# KiCad board panel_50_1.kicad_pcb
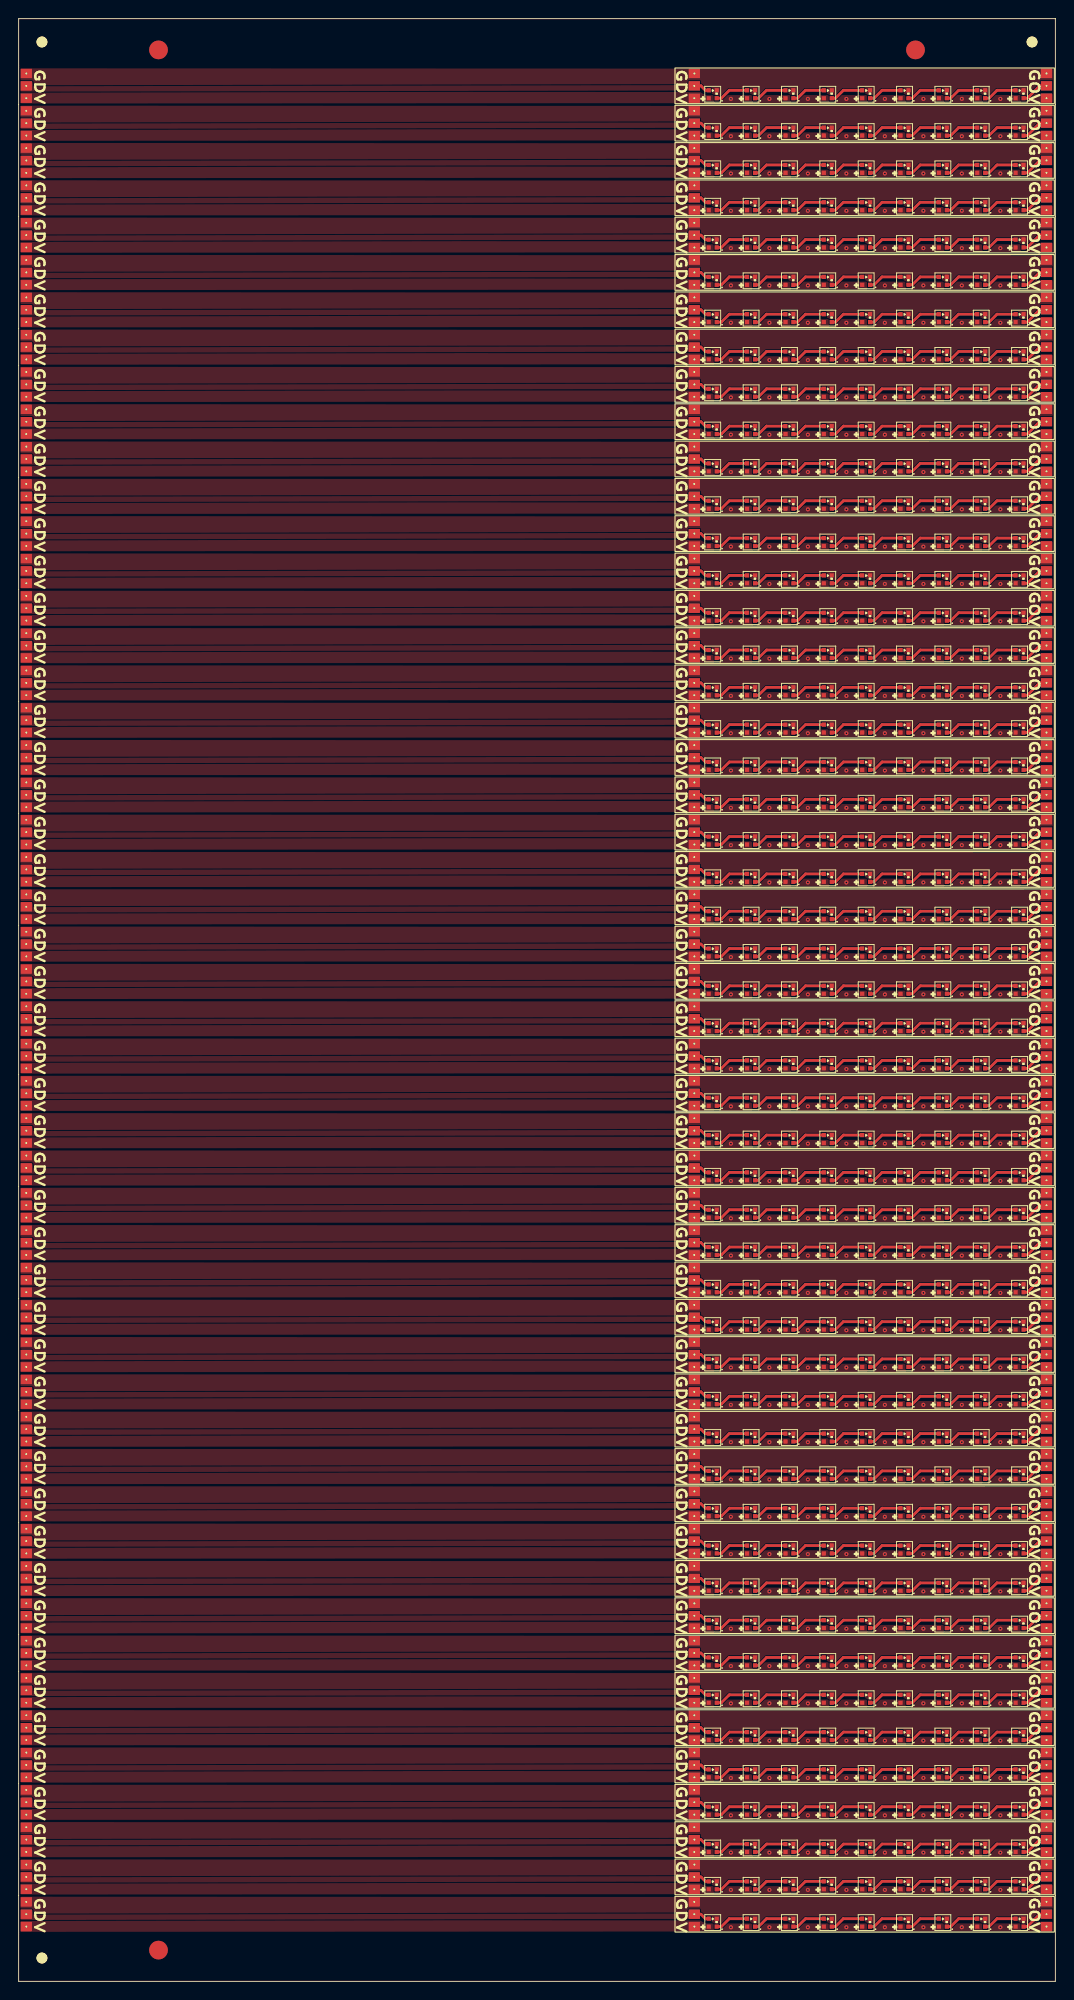
[diagram p0: board, top side]
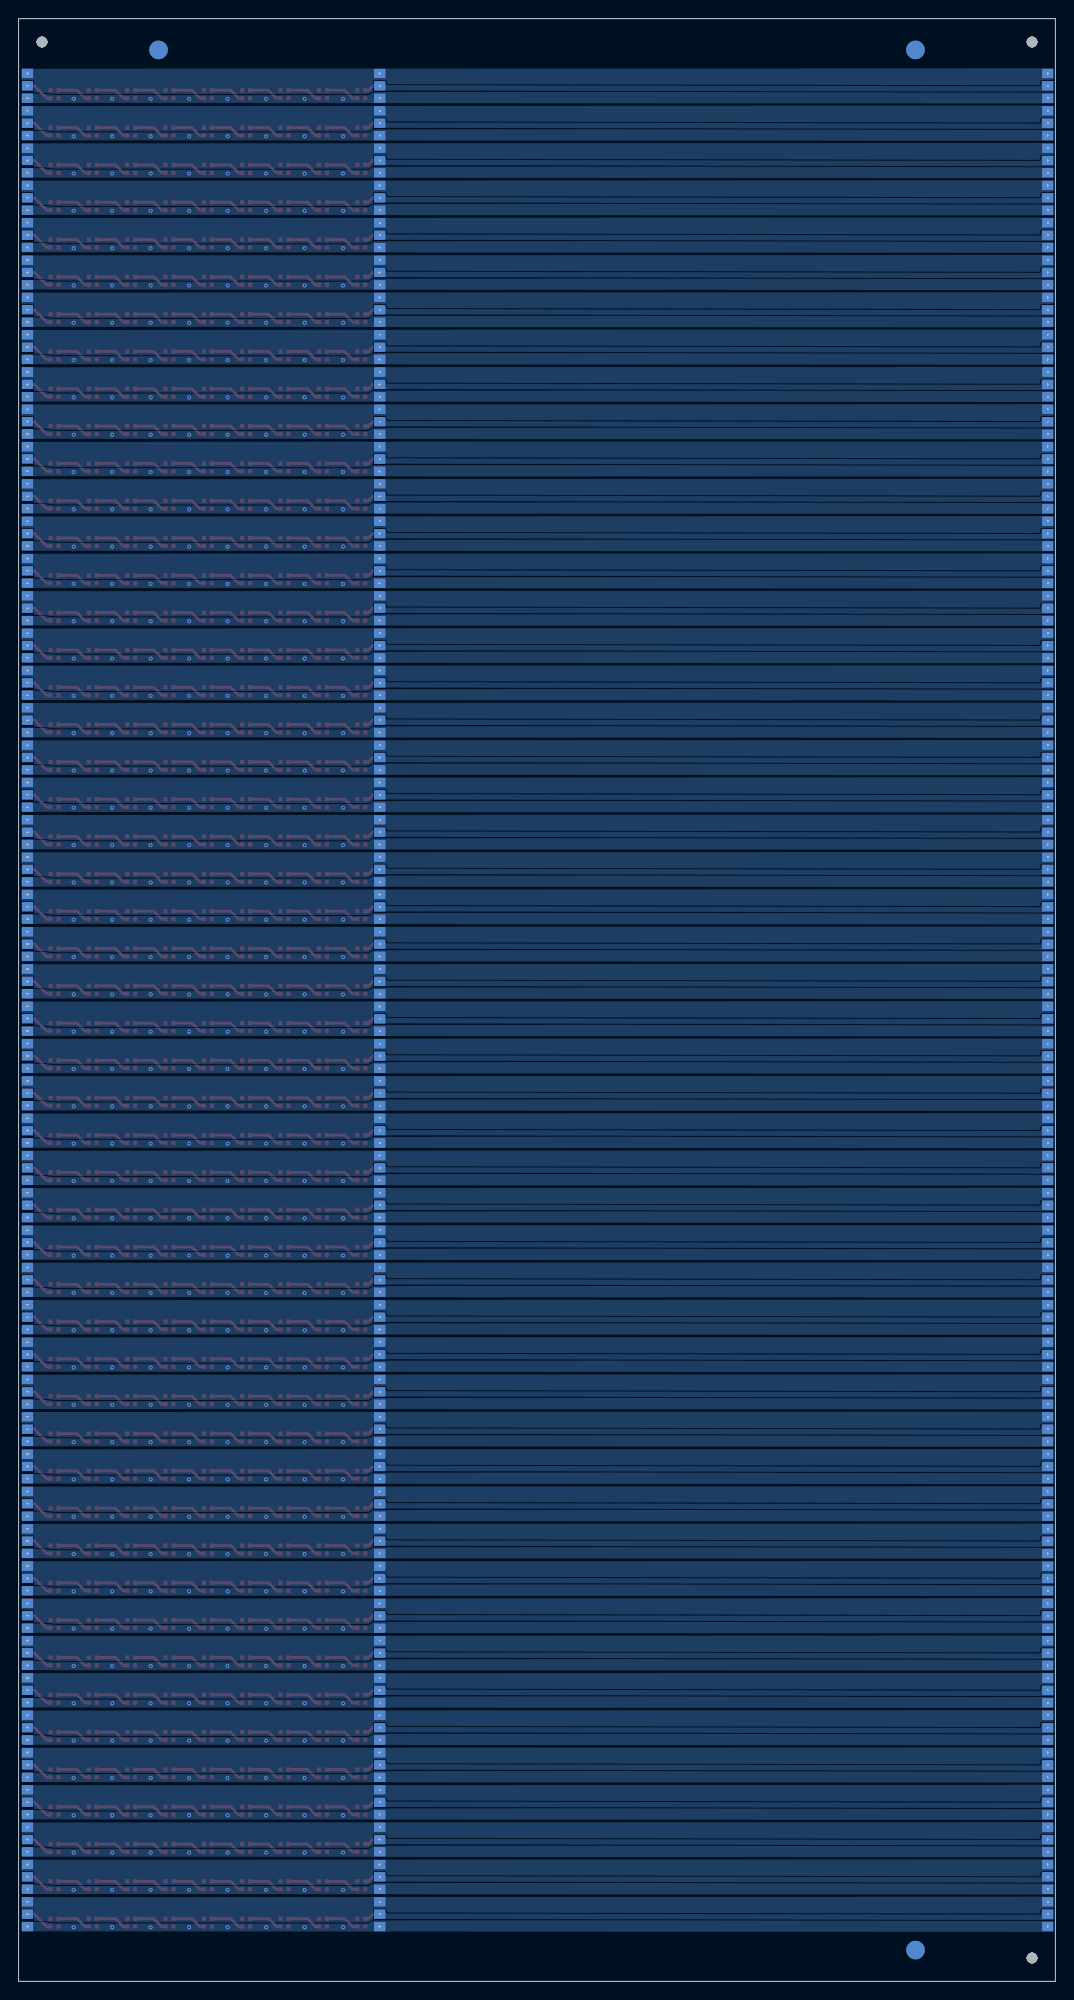
[diagram p1: board, bottom side, seen from below]

Outline 111.19 x 210.4 mm; copper layers: Top, Bottom. Coordinates in mm from the lower left corner of the outline.
Outline path: 0,210.4 0,0 111.19,0 111.19,210.4 0,210.4
Stack: Top 0.035mm / dielectric 0.025mm Polyimide er 3.2 / Bottom 0.035mm

## Placement (name value [footprint] x y rotation side)
J1  Conn_01x01  [TH_Pads_1.2x1_P1.20mml]  72.47 197.87 0 top
J1#2  Conn_01x01  [TH_Pads_1.2x1_P1.20mml]  72.47 85.87 0 top
J1#3  Conn_01x01  [TH_Pads_1.2x1_P1.20mml]  72.47 61.87 0 top
J1#4  Conn_01x01  [TH_Pads_1.2x1_P1.20mml]  72.47 57.87 0 top
J1#5  Conn_01x01  [TH_Pads_1.2x1_P1.20mml]  72.47 157.87 0 top
J1#6  Conn_01x01  [TH_Pads_1.2x1_P1.20mml]  72.47 65.87 0 top
J1#7  Conn_01x01  [TH_Pads_1.2x1_P1.20mml]  72.47 105.87 0 top
J1#8  Conn_01x01  [TH_Pads_1.2x1_P1.20mml]  72.47 129.87 0 top
J1#9  Conn_01x01  [TH_Pads_1.2x1_P1.20mml]  72.47 97.87 0 top
J1#10  Conn_01x01  [TH_Pads_1.2x1_P1.20mml]  72.47 121.87 0 top
J1#11  Conn_01x01  [TH_Pads_1.2x1_P1.20mml]  72.47 17.87 0 top
J1#12  Conn_01x01  [TH_Pads_1.2x1_P1.20mml]  72.47 21.87 0 top
J1#13  Conn_01x01  [TH_Pads_1.2x1_P1.20mml]  72.47 33.87 0 top
J1#14  Conn_01x01  [TH_Pads_1.2x1_P1.20mml]  72.47 149.87 0 top
J1#15  Conn_01x01  [TH_Pads_1.2x1_P1.20mml]  72.47 181.87 0 top
J1#16  Conn_01x01  [TH_Pads_1.2x1_P1.20mml]  72.47 25.87 0 top
J1#17  Conn_01x01  [TH_Pads_1.2x1_P1.20mml]  72.47 37.87 0 top
J1#18  Conn_01x01  [TH_Pads_1.2x1_P1.20mml]  72.47 173.87 0 top
J1#19  Conn_01x01  [TH_Pads_1.2x1_P1.20mml]  72.47 201.87 0 top
J1#20  Conn_01x01  [TH_Pads_1.2x1_P1.20mml]  72.47 133.87 0 top
J1#21  Conn_01x01  [TH_Pads_1.2x1_P1.20mml]  72.47 9.87 0 top
J1#22  Conn_01x01  [TH_Pads_1.2x1_P1.20mml]  72.47 145.87 0 top
J1#23  Conn_01x01  [TH_Pads_1.2x1_P1.20mml]  72.47 13.87 0 top
J1#24  Conn_01x01  [TH_Pads_1.2x1_P1.20mml]  72.47 101.87 0 top
J1#25  Conn_01x01  [TH_Pads_1.2x1_P1.20mml]  72.47 169.87 0 top
J1#26  Conn_01x01  [TH_Pads_1.2x1_P1.20mml]  72.47 73.87 0 top
J1#27  Conn_01x01  [TH_Pads_1.2x1_P1.20mml]  72.47 45.87 0 top
J1#28  Conn_01x01  [TH_Pads_1.2x1_P1.20mml]  72.47 125.87 0 top
J1#29  Conn_01x01  [TH_Pads_1.2x1_P1.20mml]  72.47 153.87 0 top
J1#30  Conn_01x01  [TH_Pads_1.2x1_P1.20mml]  72.47 193.87 0 top
J1#31  Conn_01x01  [TH_Pads_1.2x1_P1.20mml]  72.47 53.87 0 top
J1#32  Conn_01x01  [TH_Pads_1.2x1_P1.20mml]  72.47 141.87 0 top
J1#33  Conn_01x01  [TH_Pads_1.2x1_P1.20mml]  72.47 185.87 0 top
J1#34  Conn_01x01  [TH_Pads_1.2x1_P1.20mml]  72.47 137.87 0 top
J1#35  Conn_01x01  [TH_Pads_1.2x1_P1.20mml]  72.47 93.87 0 top
J1#36  Conn_01x01  [TH_Pads_1.2x1_P1.20mml]  72.47 109.87 0 top
J1#37  Conn_01x01  [TH_Pads_1.2x1_P1.20mml]  72.47 77.87 0 top
J1#38  Conn_01x01  [TH_Pads_1.2x1_P1.20mml]  72.47 177.87 0 top
J1#39  Conn_01x01  [TH_Pads_1.2x1_P1.20mml]  72.47 5.87 0 top
J1#40  Conn_01x01  [TH_Pads_1.2x1_P1.20mml]  72.47 117.87 0 top
J1#41  Conn_01x01  [TH_Pads_1.2x1_P1.20mml]  72.47 41.87 0 top
J1#42  Conn_01x01  [TH_Pads_1.2x1_P1.20mml]  72.47 161.87 0 top
J1#43  Conn_01x01  [TH_Pads_1.2x1_P1.20mml]  72.47 165.87 0 top
J1#44  Conn_01x01  [TH_Pads_1.2x1_P1.20mml]  72.47 89.87 0 top
J1#45  Conn_01x01  [TH_Pads_1.2x1_P1.20mml]  72.47 29.87 0 top
J1#46  Conn_01x01  [TH_Pads_1.2x1_P1.20mml]  72.47 81.87 0 top
J1#47  Conn_01x01  [TH_Pads_1.2x1_P1.20mml]  72.47 189.87 0 top
J1#48  Conn_01x01  [TH_Pads_1.2x1_P1.20mml]  72.47 113.87 0 top
J1#49  Conn_01x01  [TH_Pads_1.2x1_P1.20mml]  72.47 69.87 0 top
J1#50  Conn_01x01  [TH_Pads_1.2x1_P1.20mml]  72.47 49.87 0 top
J2  Conn_01x01  [TH_Pads_1.2x1_P1.20mml]  72.47 204.52 180 top
J2#2  Conn_01x01  [TH_Pads_1.2x1_P1.20mml]  72.47 108.52 180 top
J2#3  Conn_01x01  [TH_Pads_1.2x1_P1.20mml]  72.47 88.52 180 top
J2#4  Conn_01x01  [TH_Pads_1.2x1_P1.20mml]  72.47 180.52 180 top
J2#5  Conn_01x01  [TH_Pads_1.2x1_P1.20mml]  72.47 72.52 180 top
J2#6  Conn_01x01  [TH_Pads_1.2x1_P1.20mml]  72.47 24.52 180 top
J2#7  Conn_01x01  [TH_Pads_1.2x1_P1.20mml]  72.47 160.52 180 top
J2#8  Conn_01x01  [TH_Pads_1.2x1_P1.20mml]  72.47 188.52 180 top
J2#9  Conn_01x01  [TH_Pads_1.2x1_P1.20mml]  72.47 128.52 180 top
J2#10  Conn_01x01  [TH_Pads_1.2x1_P1.20mml]  72.47 200.52 180 top
J2#11  Conn_01x01  [TH_Pads_1.2x1_P1.20mml]  72.47 164.52 180 top
J2#12  Conn_01x01  [TH_Pads_1.2x1_P1.20mml]  72.47 84.52 180 top
J2#13  Conn_01x01  [TH_Pads_1.2x1_P1.20mml]  72.47 196.52 180 top
J2#14  Conn_01x01  [TH_Pads_1.2x1_P1.20mml]  72.47 184.52 180 top
J2#15  Conn_01x01  [TH_Pads_1.2x1_P1.20mml]  72.47 68.52 180 top
J2#16  Conn_01x01  [TH_Pads_1.2x1_P1.20mml]  72.47 36.52 180 top
J2#17  Conn_01x01  [TH_Pads_1.2x1_P1.20mml]  72.47 44.52 180 top
J2#18  Conn_01x01  [TH_Pads_1.2x1_P1.20mml]  72.47 192.52 180 top
J2#19  Conn_01x01  [TH_Pads_1.2x1_P1.20mml]  72.47 12.52 180 top
J2#20  Conn_01x01  [TH_Pads_1.2x1_P1.20mml]  72.47 76.52 180 top
J2#21  Conn_01x01  [TH_Pads_1.2x1_P1.20mml]  72.47 144.52 180 top
J2#22  Conn_01x01  [TH_Pads_1.2x1_P1.20mml]  72.47 8.52 180 top
J2#23  Conn_01x01  [TH_Pads_1.2x1_P1.20mml]  72.47 96.52 180 top
J2#24  Conn_01x01  [TH_Pads_1.2x1_P1.20mml]  72.47 112.52 180 top
J2#25  Conn_01x01  [TH_Pads_1.2x1_P1.20mml]  72.47 20.52 180 top
J2#26  Conn_01x01  [TH_Pads_1.2x1_P1.20mml]  72.47 136.52 180 top
J2#27  Conn_01x01  [TH_Pads_1.2x1_P1.20mml]  72.47 56.52 180 top
J2#28  Conn_01x01  [TH_Pads_1.2x1_P1.20mml]  72.47 156.52 180 top
J2#29  Conn_01x01  [TH_Pads_1.2x1_P1.20mml]  72.47 32.52 180 top
J2#30  Conn_01x01  [TH_Pads_1.2x1_P1.20mml]  72.47 100.52 180 top
J2#31  Conn_01x01  [TH_Pads_1.2x1_P1.20mml]  72.47 124.52 180 top
J2#32  Conn_01x01  [TH_Pads_1.2x1_P1.20mml]  72.47 176.52 180 top
J2#33  Conn_01x01  [TH_Pads_1.2x1_P1.20mml]  72.47 64.52 180 top
J2#34  Conn_01x01  [TH_Pads_1.2x1_P1.20mml]  72.47 104.52 180 top
J2#35  Conn_01x01  [TH_Pads_1.2x1_P1.20mml]  72.47 120.52 180 top
J2#36  Conn_01x01  [TH_Pads_1.2x1_P1.20mml]  72.47 28.52 180 top
J2#37  Conn_01x01  [TH_Pads_1.2x1_P1.20mml]  72.47 152.52 180 top
J2#38  Conn_01x01  [TH_Pads_1.2x1_P1.20mml]  72.47 92.52 180 top
J2#39  Conn_01x01  [TH_Pads_1.2x1_P1.20mml]  72.47 148.52 180 top
J2#40  Conn_01x01  [TH_Pads_1.2x1_P1.20mml]  72.47 132.52 180 top
J2#41  Conn_01x01  [TH_Pads_1.2x1_P1.20mml]  72.47 172.52 180 top
J2#42  Conn_01x01  [TH_Pads_1.2x1_P1.20mml]  72.47 40.52 180 top
J2#43  Conn_01x01  [TH_Pads_1.2x1_P1.20mml]  72.47 116.52 180 top
J2#44  Conn_01x01  [TH_Pads_1.2x1_P1.20mml]  72.47 80.52 180 top
J2#45  Conn_01x01  [TH_Pads_1.2x1_P1.20mml]  72.47 48.52 180 top
J2#46  Conn_01x01  [TH_Pads_1.2x1_P1.20mml]  72.47 168.52 180 top
J2#47  Conn_01x01  [TH_Pads_1.2x1_P1.20mml]  72.47 52.52 180 top
J2#48  Conn_01x01  [TH_Pads_1.2x1_P1.20mml]  72.47 16.52 180 top
J2#49  Conn_01x01  [TH_Pads_1.2x1_P1.20mml]  72.47 140.52 180 top
J2#50  Conn_01x01  [TH_Pads_1.2x1_P1.20mml]  72.47 60.52 180 top
J3  Conn_01x01  [TH_Pads_1.2x1_P1.20mml]  72.47 95.19 180 top
J3#2  Conn_01x01  [TH_Pads_1.2x1_P1.20mml]  72.47 155.19 180 top
J3#3  Conn_01x01  [TH_Pads_1.2x1_P1.20mml]  72.47 91.19 180 top
J3#4  Conn_01x01  [TH_Pads_1.2x1_P1.20mml]  72.47 115.2 180 top
J3#5  Conn_01x01  [TH_Pads_1.2x1_P1.20mml]  72.47 47.19 180 top
J3#6  Conn_01x01  [TH_Pads_1.2x1_P1.20mml]  72.47 195.19 180 top
J3#7  Conn_01x01  [TH_Pads_1.2x1_P1.20mml]  72.47 147.19 180 top
J3#8  Conn_01x01  [TH_Pads_1.2x1_P1.20mml]  72.47 43.19 180 top
J3#9  Conn_01x01  [TH_Pads_1.2x1_P1.20mml]  72.47 15.19 180 top
J3#10  Conn_01x01  [TH_Pads_1.2x1_P1.20mml]  72.47 123.2 180 top
J3#11  Conn_01x01  [TH_Pads_1.2x1_P1.20mml]  72.47 39.19 180 top
J3#12  Conn_01x01  [TH_Pads_1.2x1_P1.20mml]  72.47 111.2 180 top
J3#13  Conn_01x01  [TH_Pads_1.2x1_P1.20mml]  72.47 191.19 180 top
J3#14  Conn_01x01  [TH_Pads_1.2x1_P1.20mml]  72.47 107.2 180 top
J3#15  Conn_01x01  [TH_Pads_1.2x1_P1.20mml]  72.47 167.19 180 top
J3#16  Conn_01x01  [TH_Pads_1.2x1_P1.20mml]  72.47 51.19 180 top
J3#17  Conn_01x01  [TH_Pads_1.2x1_P1.20mml]  72.47 27.19 180 top
J3#18  Conn_01x01  [TH_Pads_1.2x1_P1.20mml]  72.47 59.19 180 top
J3#19  Conn_01x01  [TH_Pads_1.2x1_P1.20mml]  72.47 63.19 180 top
J3#20  Conn_01x01  [TH_Pads_1.2x1_P1.20mml]  72.47 199.19 180 top
J3#21  Conn_01x01  [TH_Pads_1.2x1_P1.20mml]  72.47 143.19 180 top
J3#22  Conn_01x01  [TH_Pads_1.2x1_P1.20mml]  72.47 67.19 180 top
J3#23  Conn_01x01  [TH_Pads_1.2x1_P1.20mml]  72.47 179.19 180 top
J3#24  Conn_01x01  [TH_Pads_1.2x1_P1.20mml]  72.47 151.19 180 top
J3#25  Conn_01x01  [TH_Pads_1.2x1_P1.20mml]  72.47 119.2 180 top
J3#26  Conn_01x01  [TH_Pads_1.2x1_P1.20mml]  72.47 175.19 180 top
J3#27  Conn_01x01  [TH_Pads_1.2x1_P1.20mml]  72.47 103.2 180 top
J3#28  Conn_01x01  [TH_Pads_1.2x1_P1.20mml]  72.47 79.19 180 top
J3#29  Conn_01x01  [TH_Pads_1.2x1_P1.20mml]  72.47 139.19 180 top
J3#30  Conn_01x01  [TH_Pads_1.2x1_P1.20mml]  72.47 31.19 180 top
J3#31  Conn_01x01  [TH_Pads_1.2x1_P1.20mml]  72.47 127.2 180 top
J3#32  Conn_01x01  [TH_Pads_1.2x1_P1.20mml]  72.47 171.19 180 top
J3#33  Conn_01x01  [TH_Pads_1.2x1_P1.20mml]  72.47 131.19 180 top
J3#34  Conn_01x01  [TH_Pads_1.2x1_P1.20mml]  72.47 183.19 180 top
J3#35  Conn_01x01  [TH_Pads_1.2x1_P1.20mml]  72.47 163.19 180 top
J3#36  Conn_01x01  [TH_Pads_1.2x1_P1.20mml]  72.47 11.19 180 top
J3#37  Conn_01x01  [TH_Pads_1.2x1_P1.20mml]  72.47 135.19 180 top
J3#38  Conn_01x01  [TH_Pads_1.2x1_P1.20mml]  72.47 159.19 180 top
J3#39  Conn_01x01  [TH_Pads_1.2x1_P1.20mml]  72.47 203.19 180 top
J3#40  Conn_01x01  [TH_Pads_1.2x1_P1.20mml]  72.47 55.19 180 top
J3#41  Conn_01x01  [TH_Pads_1.2x1_P1.20mml]  72.47 23.19 180 top
J3#42  Conn_01x01  [TH_Pads_1.2x1_P1.20mml]  72.47 19.19 180 top
J3#43  Conn_01x01  [TH_Pads_1.2x1_P1.20mml]  72.47 7.19 180 top
J3#44  Conn_01x01  [TH_Pads_1.2x1_P1.20mml]  72.47 87.19 180 top
J3#45  Conn_01x01  [TH_Pads_1.2x1_P1.20mml]  72.47 71.19 180 top
J3#46  Conn_01x01  [TH_Pads_1.2x1_P1.20mml]  72.47 83.19 180 top
J3#47  Conn_01x01  [TH_Pads_1.2x1_P1.20mml]  72.47 75.19 180 top
J3#48  Conn_01x01  [TH_Pads_1.2x1_P1.20mml]  72.47 187.19 180 top
J3#49  Conn_01x01  [TH_Pads_1.2x1_P1.20mml]  72.47 99.19 180 top
J3#50  Conn_01x01  [TH_Pads_1.2x1_P1.20mml]  72.47 35.19 180 top
J4  Conn_01x01  [TH_Pads_1.2x1_P1.20mml]  110.24 119.2 0 top
J4#2  Conn_01x01  [TH_Pads_1.2x1_P1.20mml]  110.24 147.2 0 top
J4#3  Conn_01x01  [TH_Pads_1.2x1_P1.20mml]  110.24 43.2 0 top
J4#4  Conn_01x01  [TH_Pads_1.2x1_P1.20mml]  110.24 11.2 0 top
J4#5  Conn_01x01  [TH_Pads_1.2x1_P1.20mml]  110.24 179.2 0 top
J4#6  Conn_01x01  [TH_Pads_1.2x1_P1.20mml]  110.24 131.2 0 top
J4#7  Conn_01x01  [TH_Pads_1.2x1_P1.20mml]  110.24 107.2 0 top
J4#8  Conn_01x01  [TH_Pads_1.2x1_P1.20mml]  110.24 15.2 0 top
J4#9  Conn_01x01  [TH_Pads_1.2x1_P1.20mml]  110.24 183.2 0 top
J4#10  Conn_01x01  [TH_Pads_1.2x1_P1.20mml]  110.24 203.2 0 top
J4#11  Conn_01x01  [TH_Pads_1.2x1_P1.20mml]  110.24 55.2 0 top
J4#12  Conn_01x01  [TH_Pads_1.2x1_P1.20mml]  110.24 139.2 0 top
J4#13  Conn_01x01  [TH_Pads_1.2x1_P1.20mml]  110.24 23.2 0 top
J4#14  Conn_01x01  [TH_Pads_1.2x1_P1.20mml]  110.24 47.2 0 top
J4#15  Conn_01x01  [TH_Pads_1.2x1_P1.20mml]  110.24 51.2 0 top
J4#16  Conn_01x01  [TH_Pads_1.2x1_P1.20mml]  110.24 35.2 0 top
J4#17  Conn_01x01  [TH_Pads_1.2x1_P1.20mml]  110.24 67.2 0 top
J4#18  Conn_01x01  [TH_Pads_1.2x1_P1.20mml]  110.24 83.2 0 top
J4#19  Conn_01x01  [TH_Pads_1.2x1_P1.20mml]  110.24 39.2 0 top
J4#20  Conn_01x01  [TH_Pads_1.2x1_P1.20mml]  110.24 95.2 0 top
J4#21  Conn_01x01  [TH_Pads_1.2x1_P1.20mml]  110.24 155.2 0 top
J4#22  Conn_01x01  [TH_Pads_1.2x1_P1.20mml]  110.24 31.2 0 top
J4#23  Conn_01x01  [TH_Pads_1.2x1_P1.20mml]  110.24 143.2 0 top
J4#24  Conn_01x01  [TH_Pads_1.2x1_P1.20mml]  110.24 7.2 0 top
J4#25  Conn_01x01  [TH_Pads_1.2x1_P1.20mml]  110.24 103.2 0 top
J4#26  Conn_01x01  [TH_Pads_1.2x1_P1.20mml]  110.24 19.2 0 top
J4#27  Conn_01x01  [TH_Pads_1.2x1_P1.20mml]  110.24 187.2 0 top
J4#28  Conn_01x01  [TH_Pads_1.2x1_P1.20mml]  110.24 99.2 0 top
J4#29  Conn_01x01  [TH_Pads_1.2x1_P1.20mml]  110.24 63.2 0 top
J4#30  Conn_01x01  [TH_Pads_1.2x1_P1.20mml]  110.24 175.2 0 top
J4#31  Conn_01x01  [TH_Pads_1.2x1_P1.20mml]  110.24 167.2 0 top
J4#32  Conn_01x01  [TH_Pads_1.2x1_P1.20mml]  110.24 171.2 0 top
J4#33  Conn_01x01  [TH_Pads_1.2x1_P1.20mml]  110.24 191.2 0 top
J4#34  Conn_01x01  [TH_Pads_1.2x1_P1.20mml]  110.24 91.2 0 top
J4#35  Conn_01x01  [TH_Pads_1.2x1_P1.20mml]  110.24 151.2 0 top
J4#36  Conn_01x01  [TH_Pads_1.2x1_P1.20mml]  110.24 59.2 0 top
J4#37  Conn_01x01  [TH_Pads_1.2x1_P1.20mml]  110.24 115.2 0 top
J4#38  Conn_01x01  [TH_Pads_1.2x1_P1.20mml]  110.24 127.2 0 top
J4#39  Conn_01x01  [TH_Pads_1.2x1_P1.20mml]  110.24 111.2 0 top
J4#40  Conn_01x01  [TH_Pads_1.2x1_P1.20mml]  110.24 195.2 0 top
J4#41  Conn_01x01  [TH_Pads_1.2x1_P1.20mml]  110.24 87.2 0 top
J4#42  Conn_01x01  [TH_Pads_1.2x1_P1.20mml]  110.24 79.2 0 top
J4#43  Conn_01x01  [TH_Pads_1.2x1_P1.20mml]  110.24 71.2 0 top
J4#44  Conn_01x01  [TH_Pads_1.2x1_P1.20mml]  110.24 135.2 0 top
J4#45  Conn_01x01  [TH_Pads_1.2x1_P1.20mml]  110.24 199.2 0 top
J4#46  Conn_01x01  [TH_Pads_1.2x1_P1.20mml]  110.24 75.2 0 top
J4#47  Conn_01x01  [TH_Pads_1.2x1_P1.20mml]  110.24 27.2 0 top
J4#48  Conn_01x01  [TH_Pads_1.2x1_P1.20mml]  110.24 163.2 0 top
J4#49  Conn_01x01  [TH_Pads_1.2x1_P1.20mml]  110.24 159.2 0 top
J4#50  Conn_01x01  [TH_Pads_1.2x1_P1.20mml]  110.24 123.2 0 top
J5  Conn_01x01  [TH_Pads_1.2x1_P1.20mml]  110.24 117.88 0 top
J5#2  Conn_01x01  [TH_Pads_1.2x1_P1.20mml]  110.24 25.88 0 top
J5#3  Conn_01x01  [TH_Pads_1.2x1_P1.20mml]  110.24 93.88 0 top
J5#4  Conn_01x01  [TH_Pads_1.2x1_P1.20mml]  110.24 29.88 0 top
J5#5  Conn_01x01  [TH_Pads_1.2x1_P1.20mml]  110.24 125.88 0 top
J5#6  Conn_01x01  [TH_Pads_1.2x1_P1.20mml]  110.24 141.88 0 top
J5#7  Conn_01x01  [TH_Pads_1.2x1_P1.20mml]  110.24 189.88 0 top
J5#8  Conn_01x01  [TH_Pads_1.2x1_P1.20mml]  110.24 65.88 0 top
J5#9  Conn_01x01  [TH_Pads_1.2x1_P1.20mml]  110.24 173.88 0 top
J5#10  Conn_01x01  [TH_Pads_1.2x1_P1.20mml]  110.24 145.88 0 top
J5#11  Conn_01x01  [TH_Pads_1.2x1_P1.20mml]  110.24 149.88 0 top
J5#12  Conn_01x01  [TH_Pads_1.2x1_P1.20mml]  110.24 197.88 0 top
J5#13  Conn_01x01  [TH_Pads_1.2x1_P1.20mml]  110.24 37.88 0 top
J5#14  Conn_01x01  [TH_Pads_1.2x1_P1.20mml]  110.24 69.88 0 top
J5#15  Conn_01x01  [TH_Pads_1.2x1_P1.20mml]  110.24 73.88 0 top
J5#16  Conn_01x01  [TH_Pads_1.2x1_P1.20mml]  110.24 49.88 0 top
J5#17  Conn_01x01  [TH_Pads_1.2x1_P1.20mml]  110.24 17.88 0 top
J5#18  Conn_01x01  [TH_Pads_1.2x1_P1.20mml]  110.24 89.88 0 top
J5#19  Conn_01x01  [TH_Pads_1.2x1_P1.20mml]  110.24 85.88 0 top
J5#20  Conn_01x01  [TH_Pads_1.2x1_P1.20mml]  110.24 21.88 0 top
J5#21  Conn_01x01  [TH_Pads_1.2x1_P1.20mml]  110.24 201.88 0 top
J5#22  Conn_01x01  [TH_Pads_1.2x1_P1.20mml]  110.24 133.88 0 top
J5#23  Conn_01x01  [TH_Pads_1.2x1_P1.20mml]  110.24 181.88 0 top
J5#24  Conn_01x01  [TH_Pads_1.2x1_P1.20mml]  110.24 101.88 0 top
J5#25  Conn_01x01  [TH_Pads_1.2x1_P1.20mml]  110.24 13.88 0 top
J5#26  Conn_01x01  [TH_Pads_1.2x1_P1.20mml]  110.24 45.88 0 top
J5#27  Conn_01x01  [TH_Pads_1.2x1_P1.20mml]  110.24 137.88 0 top
J5#28  Conn_01x01  [TH_Pads_1.2x1_P1.20mml]  110.24 105.88 0 top
J5#29  Conn_01x01  [TH_Pads_1.2x1_P1.20mml]  110.24 81.88 0 top
J5#30  Conn_01x01  [TH_Pads_1.2x1_P1.20mml]  110.24 113.88 0 top
J5#31  Conn_01x01  [TH_Pads_1.2x1_P1.20mml]  110.24 61.88 0 top
J5#32  Conn_01x01  [TH_Pads_1.2x1_P1.20mml]  110.24 5.88 0 top
J5#33  Conn_01x01  [TH_Pads_1.2x1_P1.20mml]  110.24 157.88 0 top
J5#34  Conn_01x01  [TH_Pads_1.2x1_P1.20mml]  110.24 153.88 0 top
J5#35  Conn_01x01  [TH_Pads_1.2x1_P1.20mml]  110.24 161.88 0 top
J5#36  Conn_01x01  [TH_Pads_1.2x1_P1.20mml]  110.24 165.88 0 top
J5#37  Conn_01x01  [TH_Pads_1.2x1_P1.20mml]  110.24 41.88 0 top
J5#38  Conn_01x01  [TH_Pads_1.2x1_P1.20mml]  110.24 185.88 0 top
J5#39  Conn_01x01  [TH_Pads_1.2x1_P1.20mml]  110.24 121.88 0 top
J5#40  Conn_01x01  [TH_Pads_1.2x1_P1.20mml]  110.24 193.88 0 top
J5#41  Conn_01x01  [TH_Pads_1.2x1_P1.20mml]  110.24 33.88 0 top
J5#42  Conn_01x01  [TH_Pads_1.2x1_P1.20mml]  110.24 57.88 0 top
J5#43  Conn_01x01  [TH_Pads_1.2x1_P1.20mml]  110.24 109.88 0 top
J5#44  Conn_01x01  [TH_Pads_1.2x1_P1.20mml]  110.24 97.88 0 top
J5#45  Conn_01x01  [TH_Pads_1.2x1_P1.20mml]  110.24 9.88 0 top
J5#46  Conn_01x01  [TH_Pads_1.2x1_P1.20mml]  110.24 129.88 0 top
J5#47  Conn_01x01  [TH_Pads_1.2x1_P1.20mml]  110.24 53.88 0 top
J5#48  Conn_01x01  [TH_Pads_1.2x1_P1.20mml]  110.24 77.88 0 top
J5#49  Conn_01x01  [TH_Pads_1.2x1_P1.20mml]  110.24 169.88 0 top
J5#50  Conn_01x01  [TH_Pads_1.2x1_P1.20mml]  110.24 177.88 0 top
J6  Conn_01x01  [TH_Pads_1.2x1_P1.20mml]  110.24 68.53 0 top
J6#2  Conn_01x01  [TH_Pads_1.2x1_P1.20mml]  110.24 176.53 0 top
J6#3  Conn_01x01  [TH_Pads_1.2x1_P1.20mml]  110.24 48.53 0 top
J6#4  Conn_01x01  [TH_Pads_1.2x1_P1.20mml]  110.24 16.53 0 top
J6#5  Conn_01x01  [TH_Pads_1.2x1_P1.20mml]  110.24 160.53 0 top
J6#6  Conn_01x01  [TH_Pads_1.2x1_P1.20mml]  110.24 120.53 0 top
J6#7  Conn_01x01  [TH_Pads_1.2x1_P1.20mml]  110.24 124.53 0 top
J6#8  Conn_01x01  [TH_Pads_1.2x1_P1.20mml]  110.24 100.53 0 top
J6#9  Conn_01x01  [TH_Pads_1.2x1_P1.20mml]  110.24 172.53 0 top
J6#10  Conn_01x01  [TH_Pads_1.2x1_P1.20mml]  110.24 76.53 0 top
J6#11  Conn_01x01  [TH_Pads_1.2x1_P1.20mml]  110.24 12.53 0 top
J6#12  Conn_01x01  [TH_Pads_1.2x1_P1.20mml]  110.24 116.53 0 top
J6#13  Conn_01x01  [TH_Pads_1.2x1_P1.20mml]  110.24 52.53 0 top
J6#14  Conn_01x01  [TH_Pads_1.2x1_P1.20mml]  110.24 192.53 0 top
J6#15  Conn_01x01  [TH_Pads_1.2x1_P1.20mml]  110.24 72.53 0 top
J6#16  Conn_01x01  [TH_Pads_1.2x1_P1.20mml]  110.24 184.53 0 top
J6#17  Conn_01x01  [TH_Pads_1.2x1_P1.20mml]  110.24 144.53 0 top
J6#18  Conn_01x01  [TH_Pads_1.2x1_P1.20mml]  110.24 188.53 0 top
J6#19  Conn_01x01  [TH_Pads_1.2x1_P1.20mml]  110.24 20.53 0 top
J6#20  Conn_01x01  [TH_Pads_1.2x1_P1.20mml]  110.24 40.53 0 top
J6#21  Conn_01x01  [TH_Pads_1.2x1_P1.20mml]  110.24 168.53 0 top
J6#22  Conn_01x01  [TH_Pads_1.2x1_P1.20mml]  110.24 96.53 0 top
J6#23  Conn_01x01  [TH_Pads_1.2x1_P1.20mml]  110.24 64.53 0 top
J6#24  Conn_01x01  [TH_Pads_1.2x1_P1.20mml]  110.24 140.53 0 top
J6#25  Conn_01x01  [TH_Pads_1.2x1_P1.20mml]  110.24 204.53 0 top
J6#26  Conn_01x01  [TH_Pads_1.2x1_P1.20mml]  110.24 180.53 0 top
J6#27  Conn_01x01  [TH_Pads_1.2x1_P1.20mml]  110.24 36.53 0 top
J6#28  Conn_01x01  [TH_Pads_1.2x1_P1.20mml]  110.24 56.53 0 top
J6#29  Conn_01x01  [TH_Pads_1.2x1_P1.20mml]  110.24 60.53 0 top
J6#30  Conn_01x01  [TH_Pads_1.2x1_P1.20mml]  110.24 28.53 0 top
J6#31  Conn_01x01  [TH_Pads_1.2x1_P1.20mml]  110.24 152.53 0 top
J6#32  Conn_01x01  [TH_Pads_1.2x1_P1.20mml]  110.24 108.53 0 top
J6#33  Conn_01x01  [TH_Pads_1.2x1_P1.20mml]  110.24 80.53 0 top
J6#34  Conn_01x01  [TH_Pads_1.2x1_P1.20mml]  110.24 112.53 0 top
J6#35  Conn_01x01  [TH_Pads_1.2x1_P1.20mml]  110.24 24.53 0 top
J6#36  Conn_01x01  [TH_Pads_1.2x1_P1.20mml]  110.24 104.53 0 top
J6#37  Conn_01x01  [TH_Pads_1.2x1_P1.20mml]  110.24 8.53 0 top
J6#38  Conn_01x01  [TH_Pads_1.2x1_P1.20mml]  110.24 136.53 0 top
J6#39  Conn_01x01  [TH_Pads_1.2x1_P1.20mml]  110.24 148.53 0 top
J6#40  Conn_01x01  [TH_Pads_1.2x1_P1.20mml]  110.24 164.53 0 top
J6#41  Conn_01x01  [TH_Pads_1.2x1_P1.20mml]  110.24 196.53 0 top
J6#42  Conn_01x01  [TH_Pads_1.2x1_P1.20mml]  110.24 132.53 0 top
J6#43  Conn_01x01  [TH_Pads_1.2x1_P1.20mml]  110.24 88.53 0 top
J6#44  Conn_01x01  [TH_Pads_1.2x1_P1.20mml]  110.24 44.53 0 top
J6#45  Conn_01x01  [TH_Pads_1.2x1_P1.20mml]  110.24 200.53 0 top
J6#46  Conn_01x01  [TH_Pads_1.2x1_P1.20mml]  110.24 92.53 0 top
J6#47  Conn_01x01  [TH_Pads_1.2x1_P1.20mml]  110.24 156.53 0 top
J6#48  Conn_01x01  [TH_Pads_1.2x1_P1.20mml]  110.24 128.53 0 top
J6#49  Conn_01x01  [TH_Pads_1.2x1_P1.20mml]  110.24 84.53 0 top
J6#50  Conn_01x01  [TH_Pads_1.2x1_P1.20mml]  110.24 32.53 0 top
J7  Conn_01x01  [TH_Pads_1.2x1_P1.20mml]  0.82 137.87 0 top
J7#2  Conn_01x01  [TH_Pads_1.2x1_P1.20mml]  0.82 145.87 0 top
J7#3  Conn_01x01  [TH_Pads_1.2x1_P1.20mml]  0.82 121.87 0 top
J7#4  Conn_01x01  [TH_Pads_1.2x1_P1.20mml]  0.82 5.87 0 top
J7#5  Conn_01x01  [TH_Pads_1.2x1_P1.20mml]  0.82 61.87 0 top
J7#6  Conn_01x01  [TH_Pads_1.2x1_P1.20mml]  0.82 117.87 0 top
J7#7  Conn_01x01  [TH_Pads_1.2x1_P1.20mml]  0.82 65.87 0 top
J7#8  Conn_01x01  [TH_Pads_1.2x1_P1.20mml]  0.82 153.87 0 top
J7#9  Conn_01x01  [TH_Pads_1.2x1_P1.20mml]  0.82 41.87 0 top
J7#10  Conn_01x01  [TH_Pads_1.2x1_P1.20mml]  0.82 165.87 0 top
J7#11  Conn_01x01  [TH_Pads_1.2x1_P1.20mml]  0.82 157.87 0 top
J7#12  Conn_01x01  [TH_Pads_1.2x1_P1.20mml]  0.82 25.87 0 top
J7#13  Conn_01x01  [TH_Pads_1.2x1_P1.20mml]  0.82 149.87 0 top
J7#14  Conn_01x01  [TH_Pads_1.2x1_P1.20mml]  0.82 141.87 0 top
J7#15  Conn_01x01  [TH_Pads_1.2x1_P1.20mml]  0.82 109.87 0 top
J7#16  Conn_01x01  [TH_Pads_1.2x1_P1.20mml]  0.82 53.87 0 top
J7#17  Conn_01x01  [TH_Pads_1.2x1_P1.20mml]  0.82 9.87 0 top
J7#18  Conn_01x01  [TH_Pads_1.2x1_P1.20mml]  0.82 193.87 0 top
J7#19  Conn_01x01  [TH_Pads_1.2x1_P1.20mml]  0.82 85.87 0 top
J7#20  Conn_01x01  [TH_Pads_1.2x1_P1.20mml]  0.82 161.87 0 top
J7#21  Conn_01x01  [TH_Pads_1.2x1_P1.20mml]  0.82 13.87 0 top
J7#22  Conn_01x01  [TH_Pads_1.2x1_P1.20mml]  0.82 69.87 0 top
J7#23  Conn_01x01  [TH_Pads_1.2x1_P1.20mml]  0.82 125.87 0 top
J7#24  Conn_01x01  [TH_Pads_1.2x1_P1.20mml]  0.82 129.87 0 top
J7#25  Conn_01x01  [TH_Pads_1.2x1_P1.20mml]  0.82 97.87 0 top